# KiCad board panel.kicad_pcb (continued)
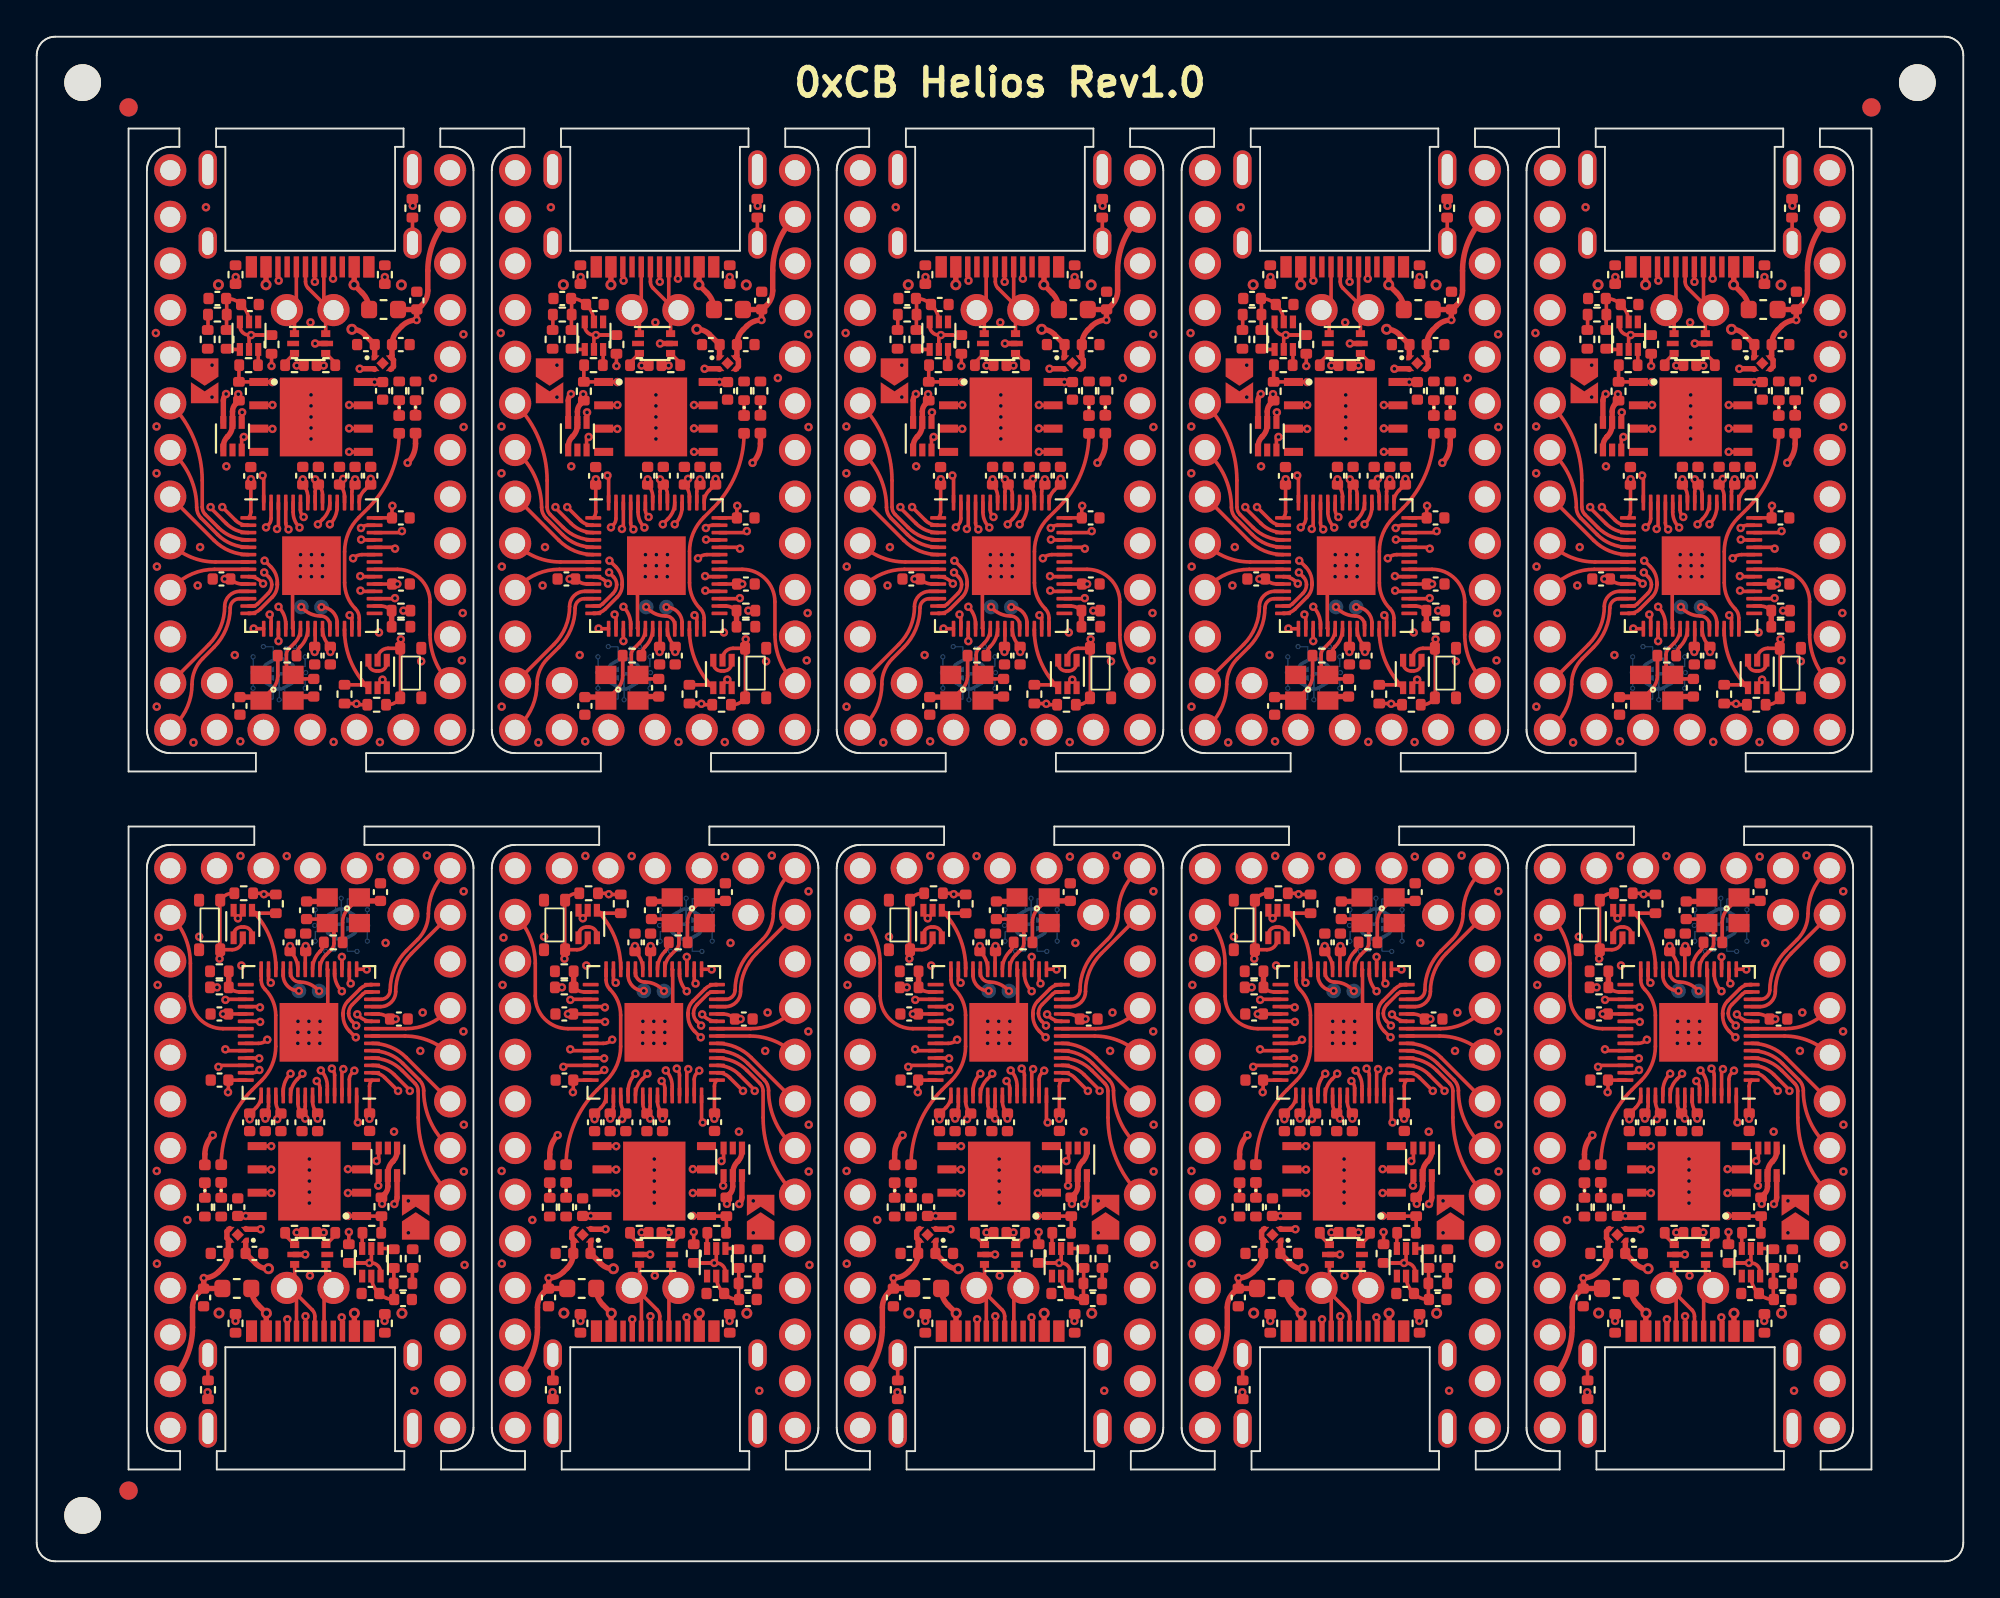
[diagram p0: board, top side]
## Routing (per net, layer and track width the routed paths; a pad name or vN(x,y) marks a point on that pad's centre or on a via; arc(x,y) is an arc through that point) (continued)
Board_5-+5V: length 25.3
  Top w0.3: U5#4.6 19.62,19.82 arc(19.58,19.63) 19.47,19.46 v1(19.47,19.46) ; U2#6.3 10.36,17.97 10.36,17.6 U2#6.4 10.43,17.38 C4#4.1 arc(10.35,16.34) 10.1,15.97 9.9,15.76 arc(9.53,15.52) v1(9.09,15.43) 9.09,14.86 ; F1#3.2 9.09,14.86 ; 9.09,14.86 C3#7.1 9.04,14.85 8.82,14.63 arc(8.57,14.26) 8.48,13.83 8.48,12.74 arc(8.17,11.16) J2#7.30 ; U1#3.5 v1(14.62,16.71)
  In1.Cu w0.3: v1(9.09,15.43) arc(10.6,16.44) 12.38,16.79 14.54,16.79 v1(14.62,16.71) 14.7,16.79 16.79,16.79 arc(18.69,17.57) v1(19.47,19.46)
Board_5-/0_TX0: length 18.4
  Top w0.2: U4#5.2 18.31,26.61 arc(18.66,26.54) 18.95,26.34 v1(19.67,25.62)
  In1.Cu w0.2: J2#7.2 22.51,10.38 arc(22.47,10.57) 22.36,10.73 22.33,10.77 arc(21.44,12.1) 21.12,13.68 21.12,22.91 arc(20.94,23.82) 20.43,24.59 19.87,25.15 arc(19.73,25.37) v1(19.67,25.62)
Board_5-/1_RX0: length 16.4
  Top w0.2: v1(20.31,25.62) 20.31,25.66 19.47,26.51 arc(18.91,26.88) U4#5.3
  In1.Cu w0.2: v1(20.31,25.62) 20.31,25.6 arc(20.4,25.16) 20.65,24.8 arc(21.22,23.93) 21.42,22.92 21.42,14.97 arc(21.71,13.55) J2#7.3
Board_5-/2_SDA1: length 9.4
  Top w0.2: U4#5.4 arc(19.14,27.23) 19.89,26.73 20.6,26.03 arc(20.73,25.84) 20.77,25.61 20.77,24.17 arc(21.22,21.9) J2#7.6
Board_5-/3_SCL1: length 7.3
  Top w0.2: J2#7.7 22.26,22.76 arc(21.38,24.08) 21.07,25.64 arc(21.01,25.95) 20.83,26.22 19.93,27.12 arc(19.16,27.63) U4#5.5
Board_5-/4: length 5.4
  Top w0.2: J2#7.8 20.12,27.44 arc(19.27,28.01) U4#5.6
Board_5-/5: length 4.5
  Top w0.2: U4#5.7 20.05,28.61 arc(21.38,28.34) J2#7.9
Board_5-/6: length 4.6
  Top w0.2: U4#5.8 20.1,29.01 arc(21.29,29.25) 22.3,29.92 J2#7.10
Board_5-/7: length 6.9
  Top w0.2: U4#5.9 18.22,29.41 arc(17.86,29.48) 17.56,29.69 v1(17.45,29.79)
  In2.Cu w0.2: v1(17.45,29.79) 18.8,31.13 arc(20.5,32.27) J2#7.11
Board_5-/8: length 7
  Top w0.2: J2#7.12 20.4,33.1 arc(19.77,32.15) 19.55,31.03 arc(19.3,30.45) 18.72,30.21 U4#5.11
Board_5-/9: length 8.9
  Top w0.2: U4#5.12 18.74,30.61 arc(19.1,30.76) 19.24,31.11 arc(19.48,32.27) 20.14,33.26 20.74,33.87 arc(21.17,34.51) 21.33,35.27 arc(21.56,36.47) 22.24,37.48 J2#7.13
Board_5-/10: length 26.5
  Top w0.2: U4#5.13 18.03,31.01 arc(17.88,30.98) 17.75,30.89 17.18,30.32 arc(17.03,30.1) 16.98,29.84 arc(17.03,29.61) 17.16,29.42 v1(17.4,29.18)
  In2.Cu w0.2: v1(17.4,29.18) 17.43,29.18 20.71,25.9 arc(21.12,25.28) 21.27,24.56 21.27,10.28 arc(21.59,8.65) J2#7.1
Board_5-/11: length 38
  Top w0.2: U4#5.14 18.17,31.41 arc(17.87,31.35) 17.61,31.18 16.96,30.53 arc(16.75,30.22) 16.68,29.86 16.68,29.73 arc(16.77,29.26) 17.04,28.87 17.36,28.54 v1(17.38,28.54)
  In1.Cu w0.2: v1(17.38,28.54) 17.38,28.35 arc(17.47,28.13) 17.69,28.04 arc(18.55,27.68) 18.9,26.82 18.9,26.59 arc(19.07,25.76) 19.54,25.06 20.2,24.4 arc(20.66,23.7) 20.83,22.88 20.83,14.39 arc(20.27,13.06) 18.94,12.51 9.66,12.51 arc(8.83,12.17) 8.48,11.33 8.48,10.2 arc(8.17,8.62) J2#7.31
Board_5-/12: length 6.6
  Top w0.2: U4#5.15 17.96,32.25 v1(17.97,32.23)
  In1.Cu w0.2: v1(17.97,32.23) 17.97,32.92 arc(18.49,35.53) J2#7.14
Board_5-/13: length 7.2
  Top w0.2: v1(17.09,31.47) 17.02,31.55 U4#5.16
  In1.Cu w0.2: J2#7.15 17.43,32.28 arc(17.34,31.84) v1(17.09,31.47)
Board_5-/14: length 6
  Top w0.2: U4#5.17 16.62,32.92 v1(16.61,32.92)
  In1.Cu w0.2: v1(16.61,32.92) 16.61,33.59 arc(16.17,35.84) J2#7.16
Board_5-/15: length 9.5
  Top w0.2: U4#5.18 16.22,32 arc(16.32,31.49) v1(16.61,31.05)
  In1.Cu w0.2: J2#7.17 14.89,35.21 arc(15.72,33.96) 16.02,32.5 arc(16.17,31.71) v1(16.61,31.05)
Board_5-/16: length 7.9
  Top w0.2: v1(12.75,31.51) 12.62,31.64 U4#5.27
  In1.Cu w0.2: J2#7.18 10.41,37.15 arc(12.14,34.56) v1(12.75,31.51)
Board_5-/20_SDI: length 4.9
  Top w0.2: U4#5.31 10.3,30.61 v1(10.27,30.58)
  In1.Cu w0.2: J2#7.21 8.71,31.23 arc(9.43,30.75) v1(10.27,30.58)
Board_5-/21_CS: length 10.1
  Top w0.2: U4#5.32 12.11,30.21 v1(12.16,30.17)
  In1.Cu w0.2: v1(12.16,30.17) 12.1,30.22 12.1,30.88 arc(11.47,33.02) 10.17,34.85 J2#7.19
Board_5-/22_SCK: length 5.9
  Top w0.2: v1(12.16,29.38) 12.14,29.41 U4#5.34
  In1.Cu w0.2: v1(12.16,29.38) 12.12,29.34 9.19,29.34 arc(8.15,29.54) J2#7.22
Board_5-/23_SDO: length 8.7
  Top w0.2: U4#5.35 10.14,29.01 arc(8.89,29.53) 8.36,30.79 8.36,32.57 arc(8.08,34) J2#7.20
Board_5-/A0: length 4.2
  Top w0.2: v1(10.27,27.89) 10.34,27.81 U4#5.38
  In1.Cu w0.2: v1(10.27,27.89) 7.98,27.89 arc(7.6,27.81) J2#7.23
Board_5-/A1: length 6.5
  Top w0.2: U4#5.39 12.09,27.41 v1(12.11,27.39)
  In1.Cu w0.2: J2#7.24 9.37,27.15 arc(9.66,27.34) 10,27.41 12.09,27.41 v1(12.11,27.39)
Board_5-/A2: length 6.8
  Top w0.2: U4#5.40 9.98,27.01 v1(9.89,26.93)
  In1.Cu w0.2: J2#7.25 8.63,23.87 arc(9.57,25.27) v1(9.89,26.93)
Board_5-/A3: length 9.4
  Top w0.2: U4#5.41 11.77,26.61 arc(11.96,26.65) 12.12,26.76 v1(12.12,26.76)
  In1.Cu w0.2: v1(12.12,26.76) 12.12,26.59 9.38,23.85 arc(8.76,22.91) 8.54,21.8 arc(8.43,21.28) 8.14,20.84 J2#7.26
Board_5-/BOOT: length 0.7
  Top w0.2: 17.72,17.76 Q2#7.3
Board_5-/D+: length 11.1
  Top w0.2: v1(14.47,26.56) 14.47,26.54 14.19,26.26 arc(13.92,25.85) U4#5.47 ; R12#9.2 15.61,17.89 v1(15.62,17.91)
  In1.Cu w0.2: v1(14.47,26.56) 14.47,26.54 arc(14.23,26.18) 14.15,25.76 14.15,20.18 arc(14.27,19.54) 14.64,18.99 15.64,17.98 15.64,17.93 v1(15.62,17.91)
Board_5-/D-: length 11.2
  Top w0.2: v1(14.16,17.91) 14.18,17.89 R13#9.2 ; U4#5.46 13.42,25.59 arc(13.52,26.12) v1(13.82,26.56)
  In1.Cu w0.2: v1(13.82,26.56) 13.82,19.09 arc(13.86,18.98) 13.97,18.94 14.16,18.94 arc(14.26,18.89) 14.31,18.79 arc(14.26,18.68) 14.16,18.64 13.97,18.64 arc(13.86,18.59) 13.82,18.48 arc(13.86,18.26) 13.99,18.08 v1(14.16,17.91)
Board_5-/LED: length 11.7
  Top w0.2: U4#5.28 12.22,31.66 arc(12.27,31.39) 12.43,31.16 arc(12.86,30.51) 13.02,29.74 13.02,28.04 arc(12.82,27.04) 12.25,26.19 11.73,25.68 arc(10.48,23.81) D2#7.2
Board_5-/PORT+: length 7.1
  Top w0.2: U1#3.1 15.75,15.31 J2#7.34 15.64,14.38 J1#10.B6 ; J1#10.A6 14.64,13.34 v1(14.64,13.35)
  In1.Cu w0.2: v1(14.64,13.35) 14.64,13.53 16,14.89 J2#7.34
Board_5-/PORT-: length 7.1
  Top w0.2: U1#3.6 14.05,15.32 J2#7.33 ; J2#7.33 14.14,14.37 J1#10.B7 ; J2#7.33 13.8,14.89 15,13.7 arc(15.11,13.53) 15.14,13.34 J1#10.A7
Board_5-/QSPI_CLK: length 11.3
  Top w0.2: U3#8.6 12.76,21.35 v1(12.77,21.34) ; U4#5.52 15.82,25.89 arc(15.73,26.35) v1(15.47,26.73)
  In2.Cu w0.2: v1(15.47,26.73) 15.47,26.64 arc(15.93,25.94) 16.09,25.13 16.09,23.85 arc(15.92,23.43) 15.5,23.26 12.8,23.26 arc(12.44,23.11) 12.3,22.76 12.3,22.48 arc(12.42,21.86) v1(12.77,21.34)
Board_5-/QSPI_CS: length 9.6
  Top w0.2: 17.42,25.35 17.42,23.97 v1(17.48,23.9) ; v1(16.95,18.81) 16.95,18.81 U3#8.1 17.7,18.8 R11#3.2 18.77,17.91 18.76,17.89
  In2.Cu w0.2: v1(17.48,23.9) arc(17.66,23.64) 17.72,23.34 17.72,20.68 arc(17.52,19.67) v1(16.95,18.81)
Board_5-/QSPI_SD0: length 11.3
  Top w0.2: U4#5.53 16.22,26.48 arc(16.18,26.67) 16.07,26.83 v1(16.07,26.84) ; U3#8.5 12.77,22.62 v1(12.77,22.61)
  In2.Cu w0.2: v1(16.07,26.84) 16.07,26.76 arc(16.31,26.4) 16.39,25.98 16.39,23.8 arc(16.15,23.21) 15.56,22.96 14.73,22.96 arc(14.62,22.92) 14.57,22.81 14.57,22.56 arc(14.53,22.45) 14.43,22.41 arc(14.32,22.45) 14.27,22.56 14.27,22.81 arc(14.23,22.92) 14.12,22.96 arc(14.02,22.92) 13.98,22.81 13.98,22.56 arc(13.93,22.45) 13.82,22.41 arc(13.72,22.45) 13.68,22.56 13.68,22.81 arc(13.63,22.92) 13.52,22.96 arc(13.15,22.89) 12.83,22.67 v1(12.77,22.61)
Board_5-/QSPI_SD1: length 11.4
  Top w0.2: U4#5.55 17.02,26.24 arc(17.06,26.43) 17.17,26.6 v1(17.3,26.72) ; v1(16.95,20.06) 16.96,20.08 U3#8.2
  In2.Cu w0.2: v1(17.3,26.72) 17.13,26.56 arc(17.03,26.41) 17,26.24 arc(17.04,26.13) 17.15,26.09 17.24,26.09 arc(17.35,26.05) 17.4,25.94 arc(17.35,25.83) 17.24,25.79 17.15,25.79 arc(17.04,25.75) 17,25.64 arc(17.04,25.53) 17.15,25.49 17.24,25.49 arc(17.35,25.45) 17.4,25.34 arc(17.35,25.23) 17.24,25.19 17.15,25.19 arc(17.04,25.15) 17,25.04 arc(17.04,24.93) 17.15,24.89 17.24,24.89 arc(17.35,24.85) 17.4,24.74 arc(17.35,24.63) 17.24,24.59 17.15,24.59 arc(17.04,24.55) 17,24.44 17,23.88 arc(17.03,23.69) 17.14,23.53 17.27,23.4 arc(17.38,23.23) 17.42,23.04 17.42,22.7 arc(17.38,22.6) 17.27,22.55 17.17,22.55 arc(17.06,22.51) 17.02,22.4 arc(17.06,22.3) 17.17,22.25 17.27,22.25 arc(17.38,22.21) 17.42,22.1 17.42,21.2 arc(17.3,20.59) v1(16.95,20.06)
Board_5-/QSPI_SD2: length 11.3
  Top w0.2: U3#8.3 16.96,21.35 v1(16.95,21.36) ; U4#5.54 16.62,26.73 v1(16.7,26.81)
  In2.Cu w0.2: v1(16.7,26.81) 16.7,22.81 arc(16.65,22.7) 16.55,22.66 15.84,22.66 arc(15.74,22.62) 15.7,22.51 arc(15.74,22.4) 15.84,22.36 16.55,22.36 arc(16.65,22.32) 16.7,22.21 arc(16.65,22.1) 16.55,22.06 15.84,22.06 arc(15.74,22.02) 15.7,21.91 arc(15.74,21.8) 15.84,21.76 16.55,21.76 arc(16.65,21.72) 16.7,21.61 v1(16.95,21.36)
Board_5-/QSPI_SD3: length 11.4
  Top w0.2: v1(12.77,20.06) 12.75,20.08 U3#8.7 ; U4#5.51 15.42,25.78 arc(15.38,25.97) 15.27,26.13 v1(15.25,26.16)
  In2.Cu w0.2: v1(12.77,20.06) arc(12.17,20.96) 11.95,22.03 11.95,22.76 arc(12.2,23.34) 12.78,23.58 15.46,23.58 arc(15.7,23.68) 15.79,23.91 15.79,24.84 arc(15.65,25.55) v1(15.25,26.16)
Board_5-/RESET: length 24.4
  Top w0.2: R1#9.2 10.67,36.39 arc(10.37,36.33) 10.12,36.16 arc(10.01,35.99) 9.97,35.8 9.97,33.31 ; 9.97,33.31 9.97,32.84 v1(9.95,32.82) ; 9.97,33.31 10.64,33.31 arc(11.05,33.48) 11.22,33.89 Q1#8.2
  In2.Cu w0.2: v1(9.95,32.82) arc(9.11,31.55) 8.81,30.06 8.81,18.61 arc(8.41,16.6) J2#7.28
Board_5-/RGB_5V: length 17.5
  Top w0.2: v1(18.59,20.46) 18.62,20.48 U5#4.4
  In2.Cu w0.2: J2#7.32 arc(19.66,33.66) 18.78,32.34 16.87,30.44 arc(16.52,29.92) 16.4,29.31 arc(16.51,28.76) 16.82,28.29 18.09,27.02 arc(18.75,26.04) 18.98,24.88 18.98,21.39 arc(18.88,20.89) v1(18.59,20.46)
Board_5-/RGB_DO: length 15.4
  Top w0.2: U5#4.3 18.62,21.92 v1(18.51,21.8) ; U4#5.37 12.07,28.21 arc(12.33,28.26) v1(12.55,28.41)
  In1.Cu w0.2: v1(18.51,21.8) 19.3,21.8 arc(19.95,22.07) 20.23,22.73 arc(20.08,23.46) 19.66,24.08 18.89,24.86 arc(18.45,25.51) 18.3,26.28 18.3,26.79 arc(18.11,27.25) 17.66,27.44 14.42,27.44 arc(13.6,27.6) 12.9,28.06 v1(12.55,28.41)
Board_5-/RST: length 4.9
  Top w0.2: R3#7.2 12.09,35.3 arc(11.9,35.34) 11.73,35.45 Q1#8.4 arc(12.68,34.02) 13.02,32.32 U4#5.26
Board_5-/SWD_CLK: length 2.2
  Top w0.2: v1(15.38,31.06) 15.28,31.15 arc(14.84,31.45) 14.32,31.55 arc(13.97,31.7) 13.82,32.05 U4#5.24
Board_5-/SWD_IO: length 1.7
  Top w0.2: U4#5.25 13.42,31.92 arc(13.67,31.32) v1(14.27,31.07)
Board_5-/USB+: length 0.9
  Top w0.2: U1#3.3 16.25,17.76 R12#9.1
Board_5-/USB-: length 0.9
  Top w0.2: U1#3.4 13.52,17.77 R13#9.1
Board_5-GND: length 7.7
  Top w0.2: v1(14.82,28.81) 15.85,29.84 15.85,32.22 U4#5.19 ; Q1#8.3 11.72,34.12 arc(11.59,34.42) 11.29,34.54 11.15,34.54 arc(10.85,34.42) 10.72,34.12 Q1#8.1
  Top w0.3: C7#6.1 15.6,35.94 Y1#9.2 ; v1(12.2,18.09) 11.41,18.09 U2#6.2
  vias: v1(6.54,21.26) v1(6.55,16.21) v1(6.64,33.97) v1(6.59,31.39) v1(8.2,18.59) v1(8.84,34.02) v1(9.3,9.21) v1(11.09,38.42) v1(11.14,32.45) v1(13.61,38.41) v1(14.23,29.41) v1(14.22,28.81) v1(14.21,28.21) v1(14.82,29.41) v1(14.82,28.21) v1(14.84,21.91) v1(14.84,21.31) v1(14.84,20.71) v1(14.84,20.11) v1(14.84,19.51) v1(14.88,15.56) v1(15.43,29.41) v1(15.42,28.81) v1(15.41,28.21) v1(18.7,38.38) v1(18.99,33.68) v1(20.56,9.29) v1(20.88,27.8) v1(21.02,29.89) v1(21.24,38.44) v1(23.24,36.49) v1(23.23,28.86) v1(23.26,23.78) v1(23.26,21.23) v1(23.3,16.14) v2(9.93,13.52) v2(19.88,13.51)
Board_5-Net-(C1-Pad1): length 3.7
  Top w0.2: 19.45,15.98 19.45,15.15 R5#9.1 19.44,14.29 C1#2.1 19.43,14.26 arc(19.01,14.34) C2.1 18.59,14.65 arc(18.32,15.05) Q2#7.5
Board_5-Net-(C7-Pad2): length 4.1
  Top w0.2: C7#6.2 15.6,34.98 Y1#9.3 16.04,34.54 arc(16.15,34.38) 16.18,34.19 16.18,33.66 arc(16.15,33.48) 16.05,33.33 15.74,33.02 arc(15.5,32.67) U4#5.20
Board_5-Net-(C8-Pad2): length 4
  Top w0.2: R14#2.1 16.66,34.8 arc(16.74,35.21) 16.97,35.56 Y1#9.1
  Top w0.3: C8#2.2 17.76,35.97 Y1#9.1
Board_5-Net-(D1-Pad1): length 0.8
  Top w0.2: D1#10.1 R10#6.1
Board_5-Net-(D1-Pad2): length 24.6
  Top w0.2: JP1#5.2 20.47,19.63 v1(20.23,19.63)
  Top w0.3: D1#10.2 9.16,22.17 arc(9.27,22.73) v1(9.59,23.21)
  In1.Cu w0.2: v1(9.59,23.21) 9.61,23.21 12.45,26.05 arc(12.81,26.92) 12.45,27.79 12.21,28.03 arc(12.07,28.39) 12.21,28.74 12.23,28.76 arc(12.58,28.9) 12.94,28.76 13.65,28.05 arc(13.99,27.82) 14.4,27.74 17.68,27.74 arc(18.33,27.46) 18.6,26.81 18.6,26.42 arc(18.76,25.63) 19.21,24.96 19.96,24.21 arc(20.38,23.58) 20.52,22.84 20.52,20.33 arc(20.45,19.95) v1(20.23,19.63)
Board_5-Net-(D2-Pad1): length 0.8
  Top w0.2: D2#7.1 R15#7.1
Board_5-Net-(FB1-Pad1): length 1.4
  Top w0.2: FB1#7.1 9.32,9.86 J1#10.S1
Board_5-Net-(J1-PadA5): length 4
  Top w0.2: J1#10.A5 v1(13.64,13.18) ; R7#5.2 v1(10.82,13.09)
  In1.Cu w0.2: v1(13.64,13.18) 13.45,12.99 10.93,12.99 v1(10.82,13.09)
Board_5-Net-(J1-PadB5): length 3.7
  Top w0.2: v1(16.61,13.29) 16.64,13.25 J1#10.B5 ; v1(18.95,13.09) 18.95,13.1 R8#8.2
  In1.Cu w0.2: v1(16.61,13.29) 16.91,12.99 18.84,12.99 v1(18.95,13.09)
Board_5-Net-(Q1-Pad5): length 28.5
  Top w0.2: Q2#7.2 18.22,16.36 v1(18.11,16.25) 17.47,16.25 ; Q2#7.6 18.72,15.75 arc(18.57,16.1) 18.22,16.25 17.47,16.25 ; R2#4.2 17.47,16.25 ; Q1#8.5 11.22,35.29 v1(10.95,35.02) 10.72,35.26 Q1#8.6
  In2.Cu w0.2: v1(18.11,16.25) 18.23,16.37 arc(18.34,16.54) 18.38,16.73 18.38,18.81 arc(18.34,19) 18.23,19.16 18.2,19.2 arc(18.07,19.4) 18.02,19.63 18.02,22.2 arc(18.1,22.59) 18.32,22.92 arc(18.59,23.32) 18.68,23.79 18.68,24.77 arc(18.45,25.92) 17.8,26.89 16.55,28.14 arc(16.22,28.64) 16.1,29.22 16.1,31.62 arc(15.11,34.02) 12.7,35.02 10.96,35.02 v1(10.95,35.02)
Board_5-Net-(Q2-Pad1): length 0.7
  Top w0.2: R4#10.1 19.41,17.04 Q2#7.1
Board_5-Net-(R5-Pad2): length 0.8
  Top w0.2: 20.47,15.98 20.45,15.96 R5#9.2
Board_5-Net-(R14-Pad2): length 1.6
  Top w0.2: U4#5.21 arc(15.12,32.77) 15.42,33.21 15.44,33.23 arc(15.58,33.45) 15.64,33.71
Board_5-VBUS: length 28.7
  Top w0.2: v1(9.82,31.26) R16#3.1
  Top w0.3: v2(17.3,13.51) J1#10.A9 ; J1#10.A4 12.5,13.5 v2(12.5,13.51) 12.06,13.96 arc(11.78,14.37) F1#3.1
  In2.Cu w0.2: v2(12.5,13.51) arc(9.99,17.27) 9.11,21.7 9.11,29.56 arc(9.29,30.48) v1(9.82,31.26)
  In2.Cu w0.3: v2(12.5,13.51) arc(12.77,12.86) 13.42,12.59 16.38,12.59 arc(17.03,12.86) v2(17.3,13.51)
Board_6-+1V1: length 15.6
  Top w0.2: U4#10.50 33.8,25.05 arc(33.87,24.69) C17#3.1 v1(34.08,24.11) ; v1(32.58,33.51) C19#3.1 32.61,33.2 arc(32.9,32.76) U4#10.23 ; U4#10.45 31.8,25.05 arc(31.87,24.69) C10#9.2
  In2.Cu w0.2: 33,25.19 32.98,25.19 v1(31.88,24.09) ; 33,25.19 v1(34.08,24.11) ; 33,25.19 32.58,25.61 arc(32.21,26.16) 32.08,26.82 32.08,32.3 arc(32.2,32.96) v1(32.58,33.51)
Board_6-+3V3: length 20.9
  Top w0.2: R11#9.1 37.55,19.51 v1(37.59,19.47) ; U4#10.10 37.36,29.81 arc(37.72,29.74) C15#4.1 v1(38.33,29.54) ; v1(33.4,24.11) 33.23,24.29 C14#10.1 ; v1(28.92,29.81) C12#6.1 30.19,29.81 ; U4#10.49 33.4,24.77 arc(33.36,24.58) 33.25,24.42 C14#10.1 ; v1(36.9,24.1) 36.91,24.11 C16#9.1 ; C14#10.1 arc(33.06,24.64) 33,24.93 U4#10.48 ; R3#8.1 31.16,36.32 v1(31.15,36.34) 31.1,36.39 R1#6.1 ; R2#2.1 v1(35.77,17.94) ; 30.19,26.21 29.22,26.21 29.22,25.57 v1(29.2,25.55) ; v1(31.23,24.11) C9#6.2 31.25,24.42 arc(31.36,24.58) 31.4,24.77 U4#10.44 ; v1(30.38,24.08) 30.38,24.36 30.73,24.71 arc(30.93,25.01) U4#10.43 ; U3#3.8 30.17,18.81 v1(30.16,18.81) C6#6.1 ; 36.9,24.69 36.9,25.88 arc(36.94,26.06) U4#10.1 ; C11#7.1 33.4,33.21 U4#10.22
  Top w0.3: C5#2.1 30.71,16.21 arc(31.03,16) 31.4,15.93 ; U5#10.1 38.4,22.32 arc(38.34,22.03) 38.18,21.79 38.17,21.78 arc(37.97,21.48) 37.9,21.13 U5#10.5 37.9,20.42 arc(37.85,20.19) 37.73,20 R11#9.1 ; U2.1 30.16,16.78
  vias: v1(33.42,33.51) v1(38.23,23.4) v1(39.02,17.89) v2(31.4,15.94)
Board_6-+5V: length 25.3
  Top w0.3: 27.88,14.86 v1(27.88,15.43) arc(28.31,15.52) 28.68,15.76 28.88,15.97 arc(29.13,16.34) 29.22,16.77 29.22,17.38 U2.4 29.14,17.6 29.14,17.97 U2.3 ; 27.88,14.86 C3#6.1 27.81,14.85 27.6,14.63 arc(27.35,14.26) 27.27,13.83 27.27,12.74 arc(26.95,11.16) J2.30 ; 27.88,14.86 F1#10.2 ; v1(38.25,19.46) 38.25,19.46 arc(38.36,19.63) 38.4,19.82 U5#10.6 ; U1#10.5 v1(33.4,16.71)
  In1.Cu w0.3: v1(38.25,19.46) arc(37.47,17.57) 35.57,16.79 33.48,16.79 v1(33.4,16.71) 33.32,16.79 31.16,16.79 arc(29.38,16.44) v1(27.88,15.43)
Board_6-/0_TX0: length 18.4
  Top w0.2: v1(38.45,25.62) 37.73,26.34 arc(37.44,26.54) 37.09,26.61 U4#10.2
  In1.Cu w0.2: J2.2 41.29,10.38 arc(41.25,10.57) 41.14,10.73 41.11,10.77 arc(40.22,12.1) 39.91,13.68 39.91,22.91 arc(39.72,23.82) 39.21,24.59 38.65,25.15 arc(38.51,25.37) v1(38.45,25.62)
Board_6-/1_RX0: length 16.4
  Top w0.2: v1(39.09,25.62) 39.09,25.66 38.25,26.51 arc(37.69,26.88) U4#10.3
  In1.Cu w0.2: v1(39.09,25.62) 39.09,25.6 arc(39.18,25.16) 39.43,24.8 arc(40,23.93) 40.2,22.92 40.2,14.97 arc(40.49,13.55) J2.3
Board_6-/2_SDA1: length 9.4
  Top w0.2: J2.6 arc(40,21.9) 39.55,24.17 39.55,25.61 arc(39.51,25.84) 39.38,26.03 38.67,26.73 arc(37.92,27.23) U4#10.4
Board_6-/3_SCL1: length 7.3
  Top w0.2: J2.7 41.04,22.76 arc(40.16,24.08) 39.85,25.64 arc(39.79,25.95) 39.61,26.22 38.71,27.12 arc(37.94,27.63) U4#10.5
Board_6-/4: length 5.4
  Top w0.2: J2.8 38.9,27.44 arc(38.05,28.01) U4#10.6
Board_6-/5: length 4.5
  Top w0.2: U4#10.7 38.83,28.61 arc(40.16,28.34) J2.9
Board_6-/6: length 4.6
  Top w0.2: J2.10 41.08,29.92 arc(40.07,29.25) 38.88,29.01 U4#10.8
Board_6-/7: length 6.9
  Top w0.2: v1(36.23,29.79) 36.34,29.69 arc(36.64,29.48) 37,29.41 U4#10.9
  In2.Cu w0.2: v1(36.23,29.79) 37.58,31.13 arc(39.28,32.27) J2.11
Board_6-/8: length 7
  Top w0.2: J2.12 39.18,33.1 arc(38.55,32.15) 38.33,31.03 arc(38.08,30.45) 37.5,30.21 U4#10.11
Board_6-/9: length 8.9
  Top w0.2: J2.13 41.02,37.48 arc(40.34,36.47) 40.1,35.27 arc(39.95,34.51) 39.52,33.87 38.92,33.26 arc(38.26,32.27) 38.02,31.11 arc(37.88,30.76) 37.52,30.61 U4#10.12
Board_6-/10: length 26.5
  Top w0.2: v1(36.17,29.18) 35.94,29.42 arc(35.81,29.61) 35.76,29.84 arc(35.81,30.1) 35.96,30.32 36.53,30.89 arc(36.66,30.98) 36.81,31.01 U4#10.13
  In2.Cu w0.2: v1(36.17,29.18) 36.21,29.18 39.49,25.9 arc(39.9,25.28) 40.05,24.56 40.05,10.28 arc(40.37,8.65) J2.1
Board_6-/11: length 38
  Top w0.2: v1(36.16,28.54) 36.14,28.54 35.82,28.87 arc(35.55,29.26) 35.46,29.73 35.46,29.86 arc(35.53,30.22) 35.74,30.53 36.39,31.18 arc(36.65,31.35) 36.95,31.41 U4#10.14
  In1.Cu w0.2: v1(36.16,28.54) 36.16,28.35 arc(36.25,28.13) 36.47,28.04 arc(37.33,27.68) 37.68,26.82 37.68,26.59 arc(37.85,25.76) 38.32,25.06 38.98,24.4 arc(39.44,23.7) 39.6,22.88 39.6,14.39 arc(39.05,13.06) 37.72,12.51 28.44,12.51 arc(27.61,12.17) 27.27,11.33 27.27,10.2 arc(26.95,8.62) J2.31
Board_6-/12: length 6.6
  Top w0.2: v1(36.75,32.23) 36.74,32.25 U4#10.15
  In1.Cu w0.2: v1(36.75,32.23) 36.75,32.92 arc(37.27,35.53) J2.14
Board_6-/13: length 7.2
  Top w0.2: U4#10.16 35.8,31.55 v1(35.88,31.47)
  In1.Cu w0.2: J2.15 36.21,32.28 arc(36.12,31.84) v1(35.88,31.47)
Board_6-/14: length 6
  Top w0.2: v1(35.4,32.92) 35.4,32.92 U4#10.17
  In1.Cu w0.2: v1(35.4,32.92) 35.4,33.59 arc(34.95,35.84) J2.16
Board_6-/15: length 9.5
  Top w0.2: U4#10.18 35,32 arc(35.1,31.49) v1(35.4,31.05)
  In1.Cu w0.2: J2.17 33.67,35.21 arc(34.5,33.96) 34.8,32.5 arc(34.95,31.71) v1(35.4,31.05)
Board_6-/16: length 7.9
  Top w0.2: U4#10.27 31.4,31.64 v1(31.52,31.51)
  In1.Cu w0.2: J2.18 29.19,37.15 arc(30.92,34.56) v1(31.52,31.51)
Board_6-/20_SDI: length 4.9
  Top w0.2: U4#10.31 29.09,30.61 v1(29.05,30.58)
  In1.Cu w0.2: J2.21 27.49,31.23 arc(28.21,30.75) v1(29.05,30.58)
Board_6-/21_CS: length 10.1
  Top w0.2: v1(30.94,30.17) 30.9,30.21 U4#10.32
  In1.Cu w0.2: J2.19 28.95,34.85 arc(30.25,33.02) 30.88,30.88 30.88,30.22 v1(30.94,30.17)
Board_6-/22_SCK: length 5.9
  Top w0.2: U4#10.34 30.91,29.41 v1(30.95,29.38)
  In1.Cu w0.2: v1(30.95,29.38) 30.9,29.34 27.97,29.34 arc(26.93,29.54) J2.22
Board_6-/23_SDO: length 8.7
  Top w0.2: U4#10.35 28.92,29.01 arc(27.67,29.53) 27.15,30.79 27.15,32.57 arc(26.86,34) J2.20
Board_6-/A0: length 4.2
  Top w0.2: v1(29.05,27.89) 29.12,27.81 U4#10.38
  In1.Cu w0.2: v1(29.05,27.89) 26.76,27.89 arc(26.38,27.81) J2.23
Board_6-/A1: length 6.5
  Top w0.2: U4#10.39 30.88,27.41 v1(30.9,27.39)
  In1.Cu w0.2: v1(30.9,27.39) 30.87,27.41 28.78,27.41 arc(28.44,27.34) 28.15,27.15 J2.24
Board_6-/A2: length 6.8
  Top w0.2: v1(28.67,26.93) 28.76,27.01 U4#10.40
  In1.Cu w0.2: J2.25 27.41,23.87 arc(28.35,25.27) v1(28.67,26.93)
Board_6-/A3: length 9.4
  Top w0.2: U4#10.41 30.55,26.61 arc(30.74,26.65) 30.9,26.76 v1(30.91,26.76)
  In1.Cu w0.2: J2.26 26.92,20.84 arc(27.21,21.28) 27.31,21.8 arc(27.54,22.91) 28.16,23.85 30.91,26.59 v1(30.91,26.76)
Board_6-/BOOT: length 0.7
  Top w0.2: 36.5,17.76 Q2.3
Board_6-/D+: length 11.1
  Top w0.2: v1(33.25,26.56) 33.25,26.54 32.97,26.26 arc(32.7,25.85) U4#10.47 ; R12#2.2 34.38,17.89 v1(34.41,17.91)
  In1.Cu w0.2: v1(34.41,17.91) 34.42,17.93 34.42,17.98 33.42,18.99 arc(33.05,19.54) 32.93,20.18 32.93,25.76 arc(33.01,26.18) 33.25,26.54 v1(33.25,26.56)
Board_6-/D-: length 11.2
  Top w0.2: R13#6.2 32.95,17.89 v1(32.94,17.91) ; U4#10.46 32.2,25.59 arc(32.3,26.12) v1(32.6,26.56)
  In1.Cu w0.2: v1(32.94,17.91) 32.77,18.08 arc(32.64,18.26) 32.6,18.48 arc(32.64,18.59) 32.75,18.64 32.94,18.64 arc(33.04,18.68) 33.09,18.79 arc(33.04,18.89) 32.94,18.94 32.75,18.94 arc(32.64,18.98) 32.6,19.09 v1(32.6,26.56)
Board_6-/LED: length 11.7
  Top w0.2: U4#10.28 31,31.66 arc(31.05,31.39) 31.21,31.16 arc(31.64,30.51) 31.8,29.74 31.8,28.04 arc(31.6,27.04) 31.03,26.19 30.51,25.68 arc(29.26,23.81) D2#3.2
Board_6-/PORT+: length 7.1
  Top w0.2: J1#7.B6 34.42,14.38 J2.34 34.52,15.31 U1#10.1 ; J1#7.A6 33.42,13.34 v1(33.41,13.35)
  In1.Cu w0.2: J2.34 34.77,14.89 33.41,13.53 v1(33.41,13.35)
Board_6-/PORT-: length 7.1
  Top w0.2: J2.33 32.59,14.89 33.78,13.7 arc(33.89,13.53) 33.92,13.34 J1#7.A7 ; J2.33 32.83,15.32 U1#10.6 ; J2.33 32.92,14.37 J1#7.B7
Board_6-/QSPI_CLK: length 11.3
  Top w0.2: U4#10.52 34.6,25.89 arc(34.51,26.35) v1(34.25,26.73) ; v1(31.55,21.34) 31.54,21.35 U3#3.6
  In2.Cu w0.2: v1(34.25,26.73) 34.25,26.64 arc(34.71,25.94) 34.88,25.13 34.88,23.85 arc(34.7,23.43) 34.28,23.26 31.58,23.26 arc(31.22,23.11) 31.08,22.76 31.08,22.48 arc(31.2,21.86) v1(31.55,21.34)
Board_6-/QSPI_CS: length 9.6
  Top w0.2: 36.2,25.35 36.2,23.97 v1(36.27,23.9) ; v1(35.73,18.81) 35.73,18.81 U3#3.1 36.48,18.8 R11#9.2 37.55,17.91 R9#4.1
  In2.Cu w0.2: v1(36.27,23.9) arc(36.44,23.64) 36.5,23.34 36.5,20.68 arc(36.3,19.67) v1(35.73,18.81)
Board_6-/QSPI_SD0: length 11.3
  Top w0.2: v1(34.85,26.84) 34.85,26.83 arc(34.96,26.67) 35,26.48 U4#10.53 ; v1(31.55,22.61) 31.55,22.62 U3#3.5
  In2.Cu w0.2: v1(31.55,22.61) 31.61,22.67 arc(31.93,22.89) 32.3,22.96 arc(32.41,22.92) 32.45,22.81 32.45,22.56 arc(32.5,22.45) 32.6,22.41 arc(32.71,22.45) 32.76,22.56 32.76,22.81 arc(32.8,22.92) 32.91,22.96 arc(33.01,22.92) 33.05,22.81 33.05,22.56 arc(33.1,22.45) 33.2,22.41 arc(33.31,22.45) 33.35,22.56 33.35,22.81 arc(33.4,22.92) 33.51,22.96 34.34,22.96 arc(34.93,23.21) 35.17,23.8 35.17,25.98 arc(35.09,26.4) 34.85,26.76 v1(34.85,26.84)
Board_6-/QSPI_SD1: length 11.4
  Top w0.2: v1(36.08,26.72) 35.95,26.6 arc(35.84,26.43) 35.8,26.24 U4#10.55 ; U3#3.2 35.74,20.08 v1(35.73,20.06)
  In2.Cu w0.2: v1(36.08,26.72) 35.91,26.56 arc(35.81,26.41) 35.77,26.24 arc(35.82,26.13) 35.92,26.09 36.02,26.09 arc(36.13,26.05) 36.17,25.94 arc(36.13,25.83) 36.02,25.79 35.92,25.79 arc(35.82,25.75) 35.77,25.64 arc(35.82,25.53) 35.92,25.49 36.02,25.49 arc(36.13,25.45) 36.17,25.34 arc(36.13,25.23) 36.02,25.19 35.92,25.19 arc(35.82,25.15) 35.77,25.04 arc(35.82,24.93) 35.92,24.89 36.02,24.89 arc(36.13,24.85) 36.17,24.74 arc(36.13,24.63) 36.02,24.59 35.92,24.59 arc(35.82,24.55) 35.77,24.44 35.77,23.88 arc(35.81,23.69) 35.92,23.53 36.05,23.4 arc(36.16,23.23) 36.2,23.04 36.2,22.7 arc(36.16,22.6) 36.05,22.55 35.95,22.55 arc(35.84,22.51) 35.8,22.4 arc(35.84,22.3) 35.95,22.25 36.05,22.25 arc(36.16,22.21) 36.2,22.1 36.2,21.2 arc(36.08,20.59) v1(35.73,20.06)
Board_6-/QSPI_SD2: length 11.3
  Top w0.2: U3#3.3 35.74,21.35 v1(35.73,21.36) ; v1(35.48,26.81) 35.4,26.73 U4#10.54
  In2.Cu w0.2: v1(35.48,26.81) 35.48,22.81 arc(35.43,22.7) 35.33,22.66 34.62,22.66 arc(34.52,22.62) 34.48,22.51 arc(34.52,22.4) 34.62,22.36 35.33,22.36 arc(35.43,22.32) 35.48,22.21 arc(35.43,22.1) 35.33,22.06 34.62,22.06 arc(34.52,22.02) 34.48,21.91 arc(34.52,21.8) 34.62,21.76 35.33,21.76 arc(35.43,21.72) 35.48,21.61 v1(35.73,21.36)
Board_6-/QSPI_SD3: length 11.4
  Top w0.2: v1(31.55,20.06) 31.53,20.08 U3#3.7 ; v1(34.02,26.16) 34.05,26.13 arc(34.16,25.97) 34.2,25.78 U4#10.51
  In2.Cu w0.2: v1(31.55,20.06) arc(30.95,20.96) 30.73,22.03 30.73,22.76 arc(30.98,23.34) 31.56,23.58 34.24,23.58 arc(34.48,23.68) 34.57,23.91 34.57,24.84 arc(34.43,25.55) v1(34.02,26.16)
Board_6-/RESET: length 24.4
  Top w0.2: Q1#3.2 30,33.89 arc(29.83,33.48) 29.42,33.31 28.75,33.31 ; 28.75,33.31 28.75,32.84 v1(28.73,32.82) ; 28.75,33.31 28.75,35.8 arc(28.79,35.99) 28.9,36.16 arc(29.15,36.33) 29.45,36.39 R1#6.2
  In2.Cu w0.2: J2.28 arc(27.19,16.6) 27.59,18.61 27.59,30.06 arc(27.89,31.55) v1(28.73,32.82)
Board_6-/RGB_5V: length 17.5
  Top w0.2: v1(37.38,20.46) 37.4,20.48 U5#10.4
  In2.Cu w0.2: 38.74,35.21 arc(38.44,33.66) 37.56,32.34 35.65,30.44 arc(35.3,29.92) 35.18,29.31 arc(35.29,28.76) 35.6,28.29 36.87,27.02 arc(37.53,26.04) 37.76,24.88 37.76,21.39 arc(37.66,20.89) v1(37.38,20.46)